# Allegro board FPGA.brd (continued)
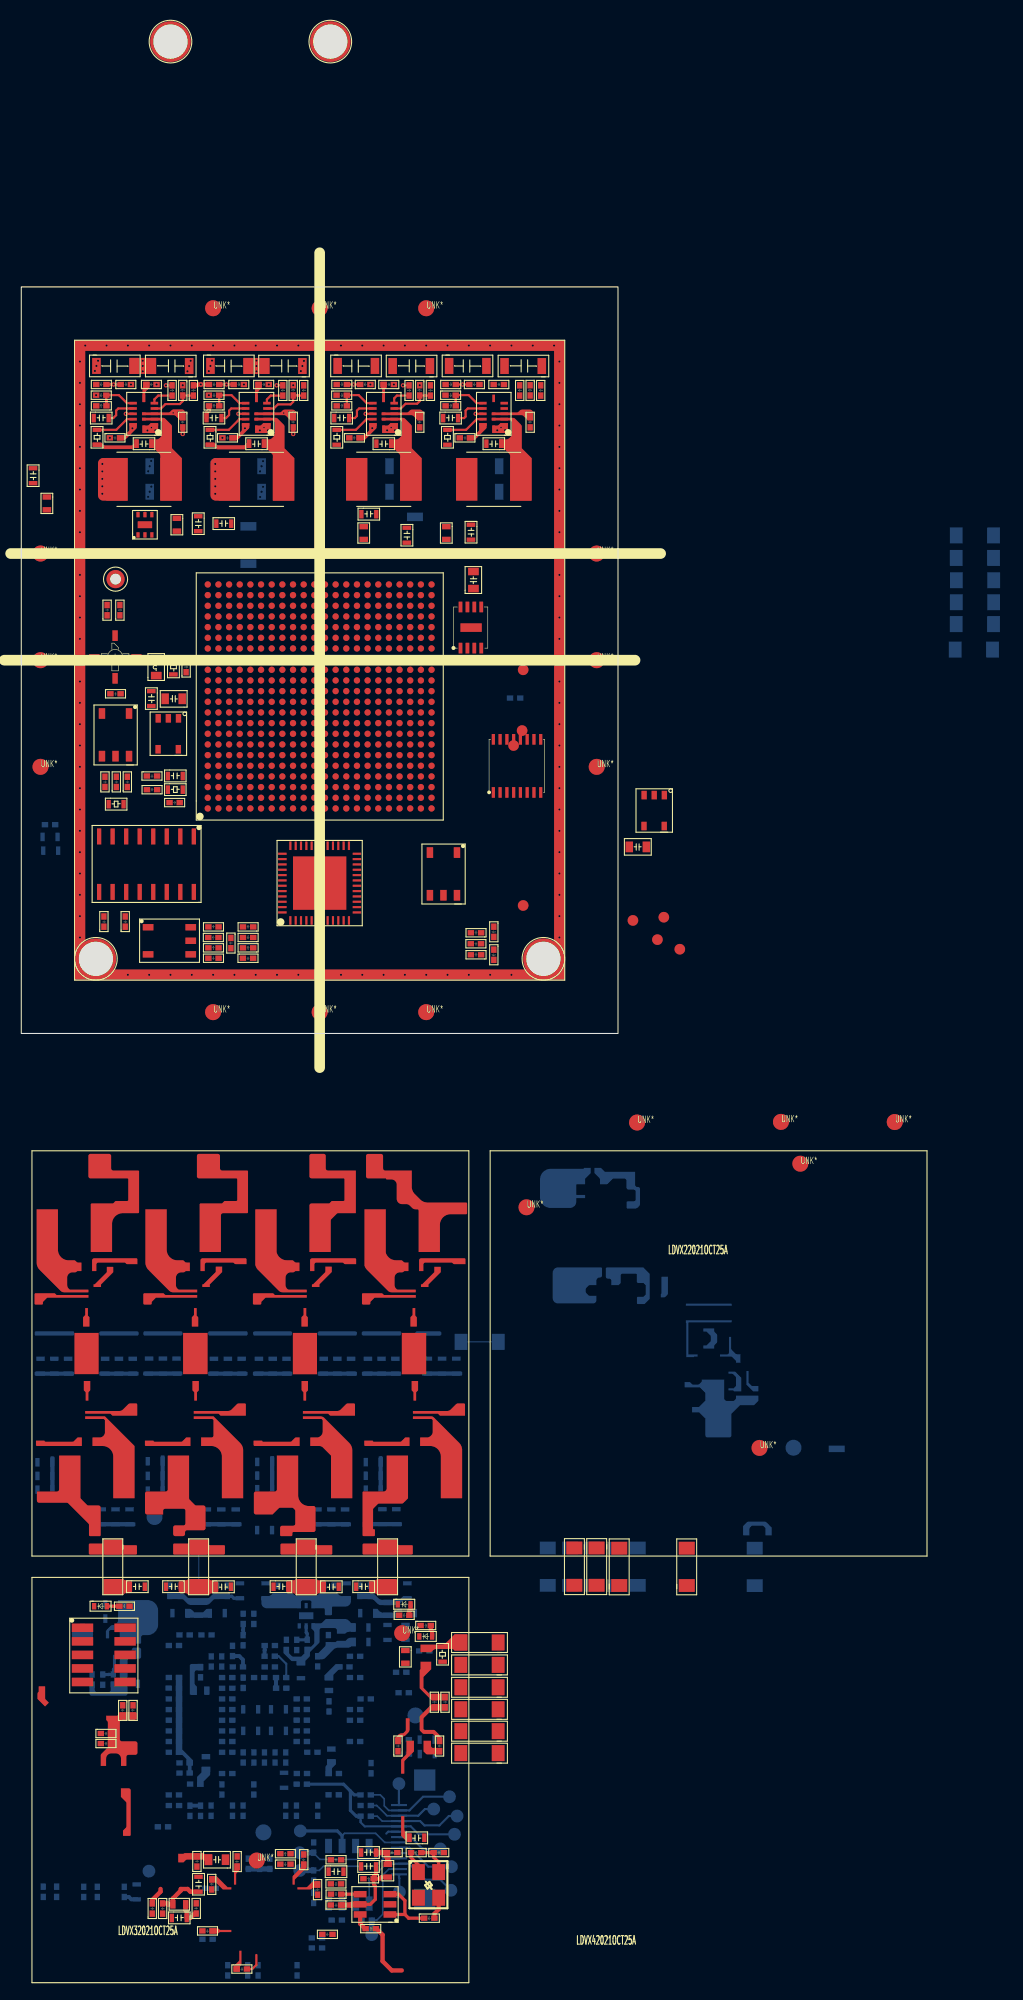
[diagram p0: board, top side]
## Copper pours and planes (outline as drawn; the poured copper is in the pictures) (continued)
5V_FPGA on TOP (solid shape): 10.73,-63.65 10.8,-63.68 10.83,-63.75 10.83,-64.16 10.77,-64.3 10.63,-64.36 9.45,-64.36 9.31,-64.42 9.25,-64.56 9.25,-66.17 9.31,-66.31 9.45,-66.37 10.7,-66.37 10.84,-66.43 10.9,-66.57 10.9,-67.43 10.84,-67.57 10.7,-67.63 10.06,-67.63 9.92,-67.69 9.86,-67.83 9.86,-68.67 9.36,-68.67 9.36,-68 9.21,-67.64 8.86,-67.5 8.46,-67.5 8.1,-67.64 7.96,-68 7.96,-68.67 7.46,-68.67 7.46,-67.68 7.47,-67.6 7.52,-67.54 8.06,-66.99 8.11,-66.93 8.12,-66.85 8.12,-64.6 8.11,-64.53 8.06,-64.46 7.97,-64.37 7.97,-63.97 8.98,-63.97 9.05,-63.94 9.08,-63.87 9.08,-63.75 9.11,-63.68 9.18,-63.65
5V_FPGA on BOTTOM (solid shape): 11.04,-57.58 11.19,-57.64 11.24,-57.78 11.24,-58.43 11.19,-58.58 11.04,-58.63 10.17,-58.63 10.03,-58.69 9.97,-58.83 9.97,-61.61 9.97,-61.61 9.97,-61.89 9.91,-62.03 9.77,-62.09 6.6,-62.09 6.46,-62.03 6.4,-61.89 6.4,-60.76 6.9,-60.76 6.9,-61.55 6.96,-61.69 7.1,-61.75 8.19,-61.75 8.33,-61.69 8.39,-61.55 8.39,-60.75 9.04,-60.75 9.18,-60.7 9.24,-60.55 9.24,-58.11 10.16,-58.11 10.31,-58.05 10.36,-57.91 10.36,-57.78 10.42,-57.64 10.56,-57.58
5V_FPGA on PWR-L6 (solid shape): 36.46,-57.06 37.04,-57.64 37.64,-57.64 37.64,-58.14 36.48,-58.14 36.44,-58.1 35.64,-58.1 35.64,-57.45 35.66,-57.43 35.66,-56.65 36.46,-56.65
5V_FPGA on PWR-L6: 13.15,-78.6 17.93,-78.6 18.36,-78.16 18.36,-76.07 18.21,-75.92 12.27,-75.92 11.81,-75.47 11.81,-57.89 11.33,-57.42 9.2,-57.42 8.96,-57.18 6.14,-57.18 4.71,-55.75 1.37,-55.75 1.19,-55.93 1.19,-69.2 1.42,-69.43 10.24,-69.43 10.88,-70.08 10.88,-77.36 11.21,-77.69 12.24,-77.69
5V_FPGA_IN on BOTTOM (solid shape): 11.84,-53.12 12.55,-53.42 12.84,-54.12 12.84,-55.41 12.55,-56.12 11.84,-56.41 11.44,-56.41 11.3,-56.47 11.24,-56.61 11.24,-57.12 11.21,-57.19 11.14,-57.22 10.46,-57.22 10.39,-57.19 10.36,-57.12 10.36,-56.91 10.31,-56.77 10.16,-56.71 9.24,-56.71 9.24,-56.07 9.23,-56.03 9.2,-55.99 9.14,-55.95 9.06,-55.93 8.42,-55.93 8.34,-55.95 8.28,-55.99 8.25,-56.03 8.24,-56.07 8.24,-56.71 7.94,-56.71 7.94,-56.07 7.96,-56 8,-55.93 8.4,-55.53 8.46,-55.49 8.54,-55.47 8.58,-55.47 8.94,-55.33 9.08,-54.97 9.08,-53.12
5V_FPGA_IN on PWR-L6: 12.48,-51.22 12.48,-54.36 12.08,-54.36 11.84,-54.6 11.84,-56.69 11.68,-56.85 9.34,-56.85 9.18,-56.68 6.78,-56.68 5.4,-55.3 5.4,-51.25 5.5,-51.15 12.42,-51.15
5V_FPGA_PWR on TOP (solid shape): 5.55,-43.5 5.56,-43.57 5.61,-43.64 6.16,-44.2 6.23,-44.24 6.3,-44.25 7.25,-44.25 7.39,-44.31 7.45,-44.45 7.45,-47.03 7.42,-47.1 7.34,-47.13 6.45,-47.13 6.38,-47.1 6.35,-47.03 6.35,-46.08 6.34,-46.01 6.29,-45.94 4.4,-44.05 4.34,-44.01 4.26,-44 1.66,-44 1.52,-43.94 1.46,-43.8 1.46,-42.94 3.35,-42.94 3.49,-42.89 3.55,-42.75 3.55,-42.72 3.55,-39.58 5.55,-39.58
GND on TOP (solid shape): 12.84,56.5 12.78,56.36 12.64,56.3 11.38,56.3 11.38,57 11.83,57 11.91,57.02 11.97,57.06 12.14,57.23 12.84,57.23
GND on TOP (solid shape): 23.4,56.5 23.34,56.36 23.2,56.3 21.93,56.3 21.93,57 22.39,57 22.47,57.02 22.53,57.06 22.7,57.23 23.4,57.23
GND on TOP (solid shape): 35.34,56.5 35.29,56.36 35.15,56.3 33.88,56.3 33.88,57 34.34,57 34.41,57.02 34.48,57.06 34.65,57.23 35.34,57.23
GND on TOP (solid shape): 45.67,56.5 45.61,56.36 45.47,56.3 44.2,56.3 44.2,57 44.66,57 44.74,57.02 44.8,57.06 44.97,57.23 45.67,57.23
GND on TOP (solid shape): 51,5 5,5 5,6 50,6 50,44.5 6,44.5 6,6 5,6 5,45.5 50,45.5 50,64 28.5,64 28.5,45.5 27.5,45.5 27.5,64 6,64 6,45.5 5,45.5 5,65 51,65
GND on GND-L2: 44.05,-51.14 44.05,-88.74 84.8,-88.74 84.8,-51.14
GND on GND-L2: 41.85,-51.15 41.85,-88.91 1.06,-88.91 1.06,-51.15
GND on GND-L2, GND-L5: 84.59,-48.68 84.59,-11.33 44.34,-11.33 44.34,-31.12 46.94,-31.12 48.63,-32.8 48.63,-33.26 49.63,-33.26 49.63,-32.79 50.35,-32.06 54.44,-32.06 54.87,-32.49 56.47,-32.49 56.88,-32.89 56.88,-37.73 57.95,-37.73 58.17,-37.95 58.17,-40.31 58.4,-40.54 58.4,-42.26 58.58,-42.43 59.46,-42.43 59.62,-42.59 59.62,-48.68
GND on GND-L2, GND-L5, GND-L9: 1.05,-11.54 1.2,-11.2 1.54,-11.05 41.46,-11.05 41.81,-11.2 41.95,-11.55 41.95,-48.45 41.8,-48.8 41.45,-48.95 1.55,-48.95 1.2,-48.81 1.05,-48.46
GND on GND-L5: 1.06,-51.05 41.85,-51.05 41.85,-88.91 1.06,-88.91
GND on GND-L5, GND-L9: 44.15,-88.74 84.8,-88.74 84.8,-51.14 44.15,-51.14
GND on GND-L9: 41.85,-51.15 41.85,-88.91 1.06,-88.91 1.06,-51.15
GND on GND-L9: 84.59,-48.68 84.59,-11.33 44.34,-11.33 44.34,-31.12 46.94,-31.12 48.63,-32.8 48.63,-33.26 49.63,-33.26 49.63,-32.79 49.63,-32.56 50.34,-31.85 54.36,-31.85 54.99,-32.49 56.47,-32.49 56.88,-32.89 56.88,-37.73 57.95,-37.73 58.17,-37.95 58.17,-40.31 58.4,-40.54 58.4,-42.26 58.58,-42.43 59.46,-42.43 59.62,-42.59 59.62,-48.68
VBAT_IN on TOP (solid shape): 12.65,61.84 10.15,61.84 10.15,63.34 12.65,63.34
VBAT_IN on TOP (solid shape): 23.28,61.84 20.85,61.84 20.85,63.33 23.28,63.33
VBAT_IN on TOP (solid shape): 27.75,-31.95 25.49,-31.95 25.49,-28.08 27.75,-28.08
VBAT_IN on TOP (solid shape): 17.48,-31.94 15.18,-31.94 15.18,-28.08 17.48,-28.08
VBAT_IN on TOP (solid shape): 7.25,-31.94 4.99,-31.94 4.99,-28.08 7.25,-28.08
VBAT_IN on TOP (solid shape): 38,-31.95 35.71,-31.95 35.71,-28.08 38,-28.08
VBAT_IN on TOP (solid shape): 15.06,58.52 15.17,58.49 15.27,58.43 15.31,58.39 15.38,58.29 15.4,58.18 15.4,57.49 14.9,57.49 14.5,57.89 14.41,57.95 14.29,57.98 11.32,57.98 11.32,58.23 13.78,58.23 13.89,58.25 13.99,58.31 14.1,58.43 14.2,58.49 14.32,58.52
VBAT_IN on TOP (solid shape): 25.45,58.49 25.56,58.47 25.66,58.41 25.68,58.39 25.74,58.29 25.77,58.18 25.77,57.49 25.27,57.49 24.87,57.89 24.77,57.95 24.66,57.98 21.89,57.98 21.89,58.23 24.21,58.23 24.32,58.25 24.42,58.31 24.51,58.41 24.61,58.47 24.73,58.49
VBAT_IN on TOP (solid shape): 37.39,58.49 37.51,58.47 37.61,58.41 37.62,58.39 37.69,58.29 37.71,58.18 37.71,57.49 37.21,57.49 36.81,57.89 36.72,57.95 36.6,57.98 33.83,57.98 33.83,58.23 36.15,58.23 36.27,58.25 36.36,58.31 36.46,58.41 36.56,58.47 36.67,58.49
VBAT_IN on TOP (solid shape): 47.72,58.49 47.83,58.47 47.93,58.41 47.95,58.39 48.01,58.29 48.04,58.18 48.04,57.49 47.54,57.49 47.14,57.89 47.04,57.95 46.93,57.98 44.16,57.98 44.16,58.23 46.48,58.23 46.59,58.25 46.69,58.31 46.78,58.41 46.88,58.47 47,58.49
VCCA_2V5 on BOTTOM (solid shape): 31.38,-57.45 30.98,-57.45 30.82,-57.56 30.62,-57.6 29.68,-57.6 29.49,-57.64 29.32,-57.75 28.53,-58.54 28.37,-58.65 28.18,-58.69 27.57,-58.69 27.57,-58.09 27.89,-58.09 28,-57.97 28.57,-57.4 28.57,-57.07 29.42,-57.07 29.5,-57.05 29.56,-57.01 29.62,-56.95 30.42,-56.95 30.57,-56.8 30.73,-56.69 30.93,-56.66 31.38,-56.66
VCCA_2V5 on PWR-L6: 18.44,-68.5 17.94,-69 17.94,-70.83 17.63,-71.14 16.3,-71.14 15.99,-70.83 15.99,-70.13 16.86,-69.25 16.86,-67.5 16.31,-66.95 16.31,-60.69 17.73,-59.27 19.97,-59.27 20.57,-58.67 21.26,-58.67 21.55,-58.96 23.05,-58.96 23.82,-59.72 27.67,-59.72 29.73,-57.65 30.48,-57.65 30.63,-57.5 30.63,-56.83 29.82,-56.83 29.43,-57.22 29.27,-57.22 28.87,-56.82 28.57,-56.82 28.55,-56.84 24.7,-56.84 24.51,-57.04 24.51,-56.77 24.44,-56.7 23.45,-56.7 22.2,-57.95 19.66,-57.95 19.66,-57.95 19.34,-57.95 18.65,-57.27 16.34,-57.27 14.35,-59.26 14.35,-61.04 14.8,-61.5 15.57,-61.5 15.66,-61.59 15.66,-67.38 15.1,-67.95 15.1,-70.01 15.53,-70.44 15.53,-71.12 16.08,-71.67 17.64,-71.67 18.61,-70.71 23.13,-70.71 23.75,-71.33 26.66,-71.33 27.4,-70.59 27.4,-70.31 27.46,-70.31 27.72,-70.05 27.72,-68.8 27.43,-68.5 26.65,-68.5
VCCINT_1V2 on PWR-L6: 32.85,-53.86 35.79,-53.86 35.9,-53.97 35.9,-54.79 35.79,-54.9 35.27,-54.9 34.99,-55.18 34.99,-60.49 33.93,-61.54 30.57,-61.54 29.79,-62.33 29.79,-67.49 29.79,-67.5 29.79,-69.97 29.4,-70.36 28.15,-70.36 28.15,-69.13 27.86,-68.84 27.86,-68.66 27.51,-68.31 18.24,-68.31 18.24,-68.33 17.86,-68.72 16.99,-68.72 16.99,-60.71 18.37,-59.33 19.98,-59.33 20.5,-58.82 21.14,-58.82 21.45,-59.12 22.96,-59.12 23.18,-59.34 23.18,-59.69 23.62,-60.13 27.99,-60.13 28.77,-59.35 28.77,-58.72 28.94,-58.54 28.95,-58.54 29.13,-58.36 29.89,-58.36 30.5,-58.97 30.5,-59.32 29.83,-59.99 29.83,-60.38 30.29,-60.84 32.39,-60.84 33.77,-59.45 33.77,-54.73 33.65,-54.61 32.85,-54.61 32.82,-54.57 32.82,-53.89
VCCIO_3V3 on TOP (solid shape): 18.22,-79 18.3,-79.01 18.36,-79.06 19.36,-80.05 19.71,-80.05 19.71,-80.25 18.91,-80.25 18.31,-79.66 18.25,-79.61 18.17,-79.6 17.61,-79.6 17.61,-79
VCCIO_3V3 on TOP (solid shape): 20.51,-78.42 20.22,-78.71 20.18,-78.77 20.16,-78.85 20.16,-79.8 19.96,-79.8 19.96,-78.51 19.97,-78.47 19.99,-78.44 20.01,-78.42 20.01,-77.82 20.51,-77.82
VCCIO_3V3 on TOP (solid shape): 26.76,-78.16 26.74,-78.23 26.7,-78.3 25.72,-79.28 25.68,-79.34 25.66,-79.42 25.66,-79.8 25.46,-79.8 25.46,-79.09 25.48,-79.01 25.52,-78.94 26.2,-78.27 26.24,-78.2 26.26,-78.12 26.26,-77.64 26.76,-77.64
VCCIO_3V3 on TOP (solid shape): 28.05,-80.09 27.45,-80.09 27.37,-80.11 27.3,-80.15 27.26,-80.19 27.2,-80.24 27.12,-80.25 25.91,-80.25 25.91,-80.05 26.72,-80.05 26.8,-80.04 26.86,-79.99 27.3,-79.55 27.37,-79.51 27.45,-79.49 28.05,-79.49
VCCIO_3V3 on TOP (solid shape): 18.38,-83.89 18.46,-83.91 18.52,-83.95 18.56,-83.99 18.63,-84.04 18.7,-84.05 19.71,-84.05 19.71,-84.25 18.69,-84.25 18.61,-84.27 18.55,-84.31 18.52,-84.34 18.46,-84.38 18.38,-84.39 17.65,-84.39 17.65,-83.89
VCCIO_3V3 on BOTTOM (solid shape): 15.11,-67.14 16.1,-68.13 16.1,-68.63 15.5,-68.63 15.5,-68.12 15.49,-68.04 15.45,-67.98 15.16,-67.7 15.1,-67.65 15.02,-67.64 14.5,-67.64 14.5,-60.14 15.11,-60.14
VCCIO_3V3 on SIGNAL-L4: 23.84,-56.59 23.84,-62.26 31.58,-62.26 31.92,-61.93 31.92,-57.04 30.96,-56.08 24.35,-56.08
VCCIO_3V3 on PWR-L6: 30.73,-61.67 34.2,-61.67 34.35,-61.82 34.35,-74.7 34.67,-75.02 40.66,-75.02 40.67,-75.04 40.67,-84.78 40.34,-85.11 40.34,-88.21 39.66,-88.89 30.9,-88.89 30.7,-88.69 30.7,-84.43 29.66,-83.39 27.49,-83.39 27.17,-83.72 25.56,-83.72 25.39,-83.89 25.39,-85.45 17.81,-85.45 17.58,-85.23 17.58,-79.24 18.04,-78.78 18.76,-78.78 19.66,-77.88 19.66,-76.06 19.27,-75.68 12.5,-75.68 11.96,-75.13 11.96,-57.58 12.34,-57.2 12.34,-56.9 12.93,-56.32 12.93,-55.53 12.51,-55.12 12.04,-55.12 12.01,-55.08 12.01,-54.73 12.18,-54.56 12.72,-54.56 12.88,-54.39 12.88,-53.69 13.03,-53.53 13.49,-53.53 13.68,-53.72 17.75,-53.72 18.03,-53.45 21.89,-53.45 22.7,-54.25 33.3,-54.25 33.77,-54.72 33.77,-59.39 32.37,-60.78 30.39,-60.78 29.96,-60.35 29.96,-59.78 30.39,-59.35 30.55,-59.35 30.55,-58.92 29.75,-58.13 29.75,-57.81 30,-57.56 30.77,-57.56 30.96,-57.36 30.96,-56.72 30.81,-56.57 30.57,-56.57 30.14,-56.13 24.39,-56.13 24.39,-56.14 24.16,-56.37 23.69,-56.37 22.24,-57.82 19.5,-57.82 18.87,-57.2 16.33,-57.2 14.89,-58.64 14.76,-58.51 14.75,-58.51 14.11,-59.15 14.11,-59.16 14.56,-59.61 15.17,-59.61 15.71,-60.16 15.71,-60.53 14.75,-61.49 14.82,-61.56 15.55,-61.56 15.63,-61.63 15.63,-67.35 14.93,-68.04 14.93,-69.89 15.58,-70.54 15.58,-71.53 15.68,-71.63 17.89,-71.63 18.67,-70.85 23.02,-70.85 23.69,-71.52 26.75,-71.52 27.45,-70.82 27.92,-70.82 28.21,-70.54 29.71,-70.54 29.95,-70.31 29.95,-62.44
ADC_3V3 on PWR-L6: 17.37,-85.59 17.7,-85.92 22.96,-85.92 22.98,-85.91 25.6,-85.91 25.8,-85.7 25.8,-84.44 25.88,-84.37 26.94,-84.37 26.95,-84.38 27.7,-83.63 29.36,-83.63 30.2,-84.47 30.2,-88.46 9.73,-88.46 9.73,-85.03 10.64,-84.12 11.37,-84.12 11.88,-83.6 11.88,-79.84 12.46,-79.27 17,-79.27 17.37,-79.64
AUDIO_5V on PWR-L6: 34.75,-74.34 34.75,-61.66 35.12,-61.3 35.12,-58.79 35.46,-58.45 40.65,-58.45 40.65,-74.45 40.58,-74.53 34.94,-74.53
Net_2 on GND-L5: 46.9,-31.86 47.63,-32.59 47.63,-33.61 48.17,-34.15 50.18,-34.15 51.28,-33.06 51.28,-32.45 54.23,-32.45 54.94,-33.16 54.94,-34.26 55.07,-34.39 56.14,-34.39 56.59,-34.84 56.59,-38 57.03,-38.45 57.03,-38.51 57.13,-38.6 57.86,-38.6 57.86,-40.51 57.95,-40.51 58.24,-40.8 58.24,-42.4 58.52,-42.68 59.38,-42.68 59.47,-42.77 59.47,-48.68 44.36,-48.68 44.36,-31.86
Net_3 on GND-L2: 46.9,-31.86 47.63,-32.59 47.63,-33.61 48.17,-34.15 49.41,-34.15 51.48,-32.08 53.86,-32.08 54.94,-33.16 54.94,-34.26 55.07,-34.39 56.14,-34.39 56.59,-34.84 56.59,-38 57.03,-38.45 57.03,-38.51 57.13,-38.6 57.86,-38.6 57.86,-41.42 58.34,-41.89 58.34,-43.36 59.47,-44.5 59.47,-48.68 44.36,-48.68 44.36,-31.86
Net_4 on GND-L9: 46.9,-31.86 47.63,-32.59 47.63,-33.61 48.17,-34.15 49.52,-34.15 51.43,-32.25 54.03,-32.25 54.94,-33.16 54.94,-34.26 55.07,-34.39 56.14,-34.39 56.59,-34.84 56.59,-38 57.03,-38.45 57.03,-38.51 57.13,-38.6 57.86,-38.6 57.86,-40.51 57.95,-40.51 58.24,-40.8 58.24,-42.4 58.52,-42.68 59.38,-42.68 59.47,-42.77 59.47,-48.68 44.36,-48.68 44.36,-31.86
Net_5 on PWR-L6: 80.5,-62.63 84.83,-62.63 84.9,-62.57 84.9,-58.56 84.78,-58.44 70.11,-58.44 69.57,-58.99 69.57,-66.97 68.43,-68.11 68.01,-68.11 68.01,-69.62 68.03,-69.63 68.03,-70.72 68.01,-70.74 68.01,-71.85 67.58,-72.28 66.01,-72.28 65.78,-72.04 65,-72.04 64.46,-71.51 64.46,-69.91 64.18,-69.63 63.28,-69.63 63.2,-69.71 63.2,-71.01 62.95,-71.26 62.95,-71.78 62.79,-71.94 57.31,-71.94 57.28,-71.91 57.28,-69.63 57.2,-69.54 56.54,-69.54 56.42,-69.66 56.42,-73.01 56.69,-73.28 71.36,-73.28 71.69,-72.95 73.33,-72.95 73.4,-72.88 73.55,-72.73 73.55,-72.15 74.09,-71.61 78.25,-71.61 78.96,-70.89 78.96,-68.56 78.35,-67.94 72.14,-67.94 72.13,-67.95 71.44,-67.26 71.44,-62.86 71.96,-62.34 75.12,-62.34 75.44,-62.66 80.17,-62.66 80.2,-62.63 80.49,-62.63
Net_6 on PWR-L6: 44.05,-51.05 84.95,-51.05 84.95,-88.95 44.05,-88.95
Net_7 on BOTTOM (solid shape): 68.26,-32.75 68.56,-33.05 69.17,-33.05 69.17,-33.55 68.67,-33.55 68.06,-32.94 68.06,-31.65 68.26,-31.65
Net_8 on PWR-L6: 66.61,-23.3 65.54,-23.3 65.38,-23.46 65.38,-24.16 65.68,-24.46 67.09,-24.46 67.22,-24.33 67.22,-23.9
Net_9 on PWR-L6: 62.64,-34.37 62.65,-34.37 63.03,-34.75 63.69,-34.75 63.77,-34.66 63.77,-33.61 63.56,-33.39 63.56,-31.35 62.89,-30.67 61.99,-30.67 61.74,-30.92 61.74,-31.42 62.47,-32.15 62.47,-34.2
Net_10 on BOTTOM (solid shape): 66.61,-29.52 66.63,-29.59 66.67,-29.66 67.03,-30.02 67.1,-30.06 67.17,-30.08 67.49,-30.08 67.49,-30.88 67.09,-30.88 67.09,-30.8 67.08,-30.73 67.03,-30.66 66.72,-30.35 66.66,-30.31 66.58,-30.29 65.57,-30.29 65.57,-30.09 66.22,-30.09 66.36,-30.03 66.42,-29.89 66.42,-28.45 66.61,-28.45
Net_11 on PWR-L6: 66.14,-27.89 66.07,-27.89 65.88,-28.08 65.88,-29.55 65.85,-29.58 65.06,-29.58 64.93,-29.7 64.93,-30.67 65,-30.74 66.51,-30.74 66.68,-30.91 67.87,-30.91 67.97,-30.81 67.97,-28.21 67.63,-27.88 66.14,-27.88
Net_12 on BOTTOM (solid shape): 54.71,-12.91 54.77,-12.95 54.85,-12.97 57.6,-12.97 57.6,-14.19 57.66,-14.33 57.8,-14.39 57.87,-14.39 58.01,-14.45 58.07,-14.59 58.07,-15.92 57.92,-16.27 57.57,-16.42 56.91,-16.42 56.84,-16.39 56.81,-16.31 56.81,-15.84 56.84,-15.77 56.91,-15.74 57.46,-15.74 57.6,-15.68 57.66,-15.54 57.66,-14.84 57.6,-14.7 57.46,-14.64 57,-14.64 56.86,-14.58 56.8,-14.44 56.8,-13.81 56.74,-13.67 56.6,-13.61 55.6,-13.61 55.53,-13.62 55.46,-13.67 55.05,-14.08 54.99,-14.12 54.91,-14.14 54.31,-14.14 54.31,-13.7 54.29,-13.62 54.25,-13.56 53.79,-13.1 53.79,-12.6 54.39,-12.6
Net_14 on PWR-L6: 70.93,-11.58 70.93,-18.49 68.17,-21.24 68.14,-21.24 66.71,-22.68 64.91,-22.68 64.6,-22.98 63.87,-22.98 63.87,-24.4 63.74,-24.52 63.74,-24.57 64.02,-24.84 66.74,-24.84 66.86,-24.97 66.86,-25.79 66.64,-26 61.91,-26 61.86,-25.96 61.86,-24.56 58.52,-21.22 57.03,-21.22 56.64,-20.82 56.64,-17.66 55.19,-16.22 54.48,-16.22 54.17,-15.91 54.17,-13.89 53.78,-13.5 53.78,-11.58
Net_17 on BOTTOM (solid shape): 69.79,-45.77 69.87,-45.79 69.93,-45.83 70.38,-46.28 70.42,-46.34 70.44,-46.42 70.44,-47.06 69.83,-47.06 69.83,-46.45 69.82,-46.37 69.78,-46.31 69.68,-46.21 69.62,-46.17 69.54,-46.15 68.63,-46.15 68.56,-46.17 68.49,-46.21 68.4,-46.31 68.35,-46.37 68.34,-46.45 68.34,-47.06 67.74,-47.06 67.74,-46.56 67.74,-46.55 67.74,-46.27 67.75,-46.2 67.8,-46.13 68.09,-45.83 68.16,-45.79 68.23,-45.77
Net_18 on PWR-L6: 62.04,-48.45 70.66,-48.45 70.66,-47.2 69.46,-47.2 69.16,-46.89 68.83,-46.89 68.6,-46.67 68.61,-46.65 68.61,-45.85 69.03,-45.43 69.05,-45.45 69.77,-45.45 69.77,-44.93 69.68,-44.84 63.72,-44.84 62.51,-46.05 62.35,-46.05
Net_20 on PWR-L6: 71.59,-47.22 71.59,-48.45 80.89,-48.45 80.89,-46.9 76.62,-46.9 76.33,-46.61 76.33,-45.73 76.6,-45.45 76.61,-45.46 77.53,-45.46 77.77,-45.21 77.77,-44.64 77.24,-44.11 72.41,-44.11 72.41,-44.53 72.3,-44.64 72.3,-46.51
Net_22 on PWR-L6: 51,-39.6 51.31,-39.3 56.6,-39.3 56.64,-39.34 56.64,-41.79 55.96,-42.47 48.67,-42.47 47.58,-43.56 47.58,-44.31 47.36,-44.54 44.57,-44.54 44.57,-40 44.97,-39.6
Net_24 on BOTTOM (solid shape): 60.68,-24.38 60.67,-24.46 60.62,-24.53 60.47,-24.68 60.4,-24.73 60.33,-24.74 60.02,-24.74 60.02,-24.44 60.02,-24.44 60.07,-24.37 60.08,-24.3 60.08,-22.81 60.68,-22.81
Net_25 on BOTTOM (solid shape): 65.02,-27.87 65.04,-27.94 65.08,-28.01 65.25,-28.17 65.29,-28.24 65.31,-28.31 65.31,-28.88 65.29,-28.96 65.25,-29.02 65.08,-29.19 65.04,-29.25 65.02,-29.33 65.02,-29.55 64,-29.55 64,-29.25 64.23,-29.25 64.3,-29.23 64.37,-29.19 64.65,-28.91 64.69,-28.84 64.71,-28.77 64.71,-28.43 64.69,-28.36 64.65,-28.29 64.36,-28.01 64.3,-27.96 64.22,-27.95 64,-27.95 64,-27.65 65.02,-27.65
Net_26 on BOTTOM (solid shape): 58.99,-22.54 58.99,-24.87 58.49,-25.37 57.88,-25.37 57.81,-25.34 57.78,-25.27 57.78,-24.79 57.81,-24.72 57.88,-24.69 58.39,-24.69 58.6,-24.47 58.6,-23.61 58.4,-23.4 57.86,-23.4 57.77,-23.31 57.77,-22.58 57.7,-22.52 56.35,-22.52 56.26,-22.62 56.26,-23.4 56.05,-23.6 55.37,-23.6 55.37,-23.19 55.31,-23.05 55.17,-22.99 55.06,-22.99 54.92,-22.93 54.86,-22.79 54.86,-22.03 54.89,-21.96 54.96,-21.93 58.38,-21.93
Net_27 on PWR-L6: 58.28,-21.72 58.52,-21.96 58.52,-23.58 59.15,-23.58 59.55,-23.97 59.55,-23.97 59.73,-24.16 59.73,-25.13 60.12,-25.52 60.12,-26.36 60.85,-27.09 60.87,-27.09 61.21,-27.43 61.21,-27.87 61.97,-28.62 62.09,-28.62 62.25,-28.78 63.17,-28.78 63.29,-28.66 63.29,-28.47 63.34,-28.42 63.34,-27.86 63.45,-27.74 65.55,-27.74 65.81,-28 65.81,-29.19 65.59,-29.42 61.28,-29.42 60.31,-28.45 58.05,-28.45 57.3,-27.69 57.3,-24.52 56.92,-24.14 54.66,-24.14 54.47,-23.94 54.47,-22.06 54.81,-21.72
Net_30 on PWR-L6: 59.74,-46.07 59.74,-48.45 61.9,-48.45 61.9,-45.93 62.98,-44.84 63.04,-44.84 63.19,-44.69 70.82,-44.69 71.08,-44.95 71.08,-45.47 70.84,-45.71 69.1,-45.71 68.84,-45.97 68.84,-46.33 69.06,-46.54 71.37,-46.54 71.93,-45.98 71.93,-45.7 71.91,-45.68 71.91,-44.12 72.15,-43.88 77.23,-43.88 77.92,-44.57 77.92,-45.28 77.51,-45.7 76.73,-45.7 76.65,-45.78 76.65,-46.58 76.74,-46.67 77.78,-46.67 78,-46.46 78,-46.03 78.53,-45.5 78.63,-45.5 78.69,-45.44 79.79,-45.44 79.79,-41.34 78.46,-40 75.55,-40 74.99,-39.44 74.99,-38.64 74.07,-37.72 71.02,-37.72 70.05,-38.69 63.57,-38.69 59.75,-42.5 59.75,-44.15 60.57,-44.97 60.57,-45.85 60.45,-45.96 59.84,-45.96
Net_32 on BOTTOM (solid shape): 66.67,-27.08 62.67,-27.08 62.6,-27.15 62.6,-30.05 62.65,-30.09 63.47,-30.09 63.47,-30.29 63.17,-30.29 63.12,-30.35 62.4,-30.35 62.4,-27.17 62.37,-27.14 62.37,-26.89 66.67,-26.89
Net_33 on PWR-L6: 62.22,-26.49 66.8,-26.49 67.04,-26.73 67.04,-27.55 66.83,-27.76 65.84,-27.76 65.64,-27.56 63.37,-27.56 63.16,-27.77 63.16,-28.23 63.02,-28.37 62.4,-28.37 62.06,-28.03 62.06,-26.65
Net_35 on BOTTOM (solid shape): 67.57,-32.28 67.57,-33.55 66.88,-33.55 66.8,-33.47 66.37,-33.47 66.37,-33.27 66.85,-33.27 67.07,-33.05 67.07,-32.22 66.76,-31.91 66.37,-31.91 66.37,-31.71 67,-31.71
Net_36 on PWR-L6: 50.02,-35.16 50.02,-34.31 50.18,-34.16 54.92,-34.16 55.02,-34.25 55.02,-36.54 53.79,-37.76 51.66,-37.76 50.33,-39.09 44.57,-39.09 44.57,-36.07 49.11,-36.07
Net_41 on BOTTOM (solid shape): 65.97,-34.28 66.14,-34.45 66.87,-34.45 67.07,-34.25 67.07,-33.95 69.17,-33.95 69.17,-34.45 68.77,-34.86 67.45,-34.86 66.64,-35.67 66.64,-37.67 66.58,-37.82 66.44,-37.88 64.4,-37.88 64.25,-37.82 64.2,-37.67 64.2,-36.12 63.6,-35.52 62.95,-35.52 62.95,-35.02 63.6,-35.02 64.2,-34.42 64.2,-33.69 63.68,-33.18 62.26,-33.18 62.26,-32.68 62.76,-32.68 62.99,-32.92 63.58,-32.92 63.86,-32.64 63.86,-32.45 65.97,-32.45
Net_44 on PWR-L6: 59.34,-45.86 59.44,-45.76 60.43,-45.76 60.5,-45.7 60.5,-45.18 60.33,-45.01 59.62,-45.01 59.34,-44.74 59.34,-42.36 63.45,-38.25 68.41,-38.25 68.45,-38.29 70.2,-38.29 71.17,-37.33 74.28,-37.33 75.46,-38.51 75.46,-39.49 75.64,-39.67 78.81,-39.67 80.28,-41.15 80.28,-44.58 80.35,-44.65 84.42,-44.65 84.42,-15.61 84.05,-15.24 81.88,-15.24 80.79,-14.15 80.79,-12 80.36,-11.58 72.11,-11.58 71.63,-12.06 71.63,-19.03 67.84,-22.82 64.94,-22.82 64.22,-23.53 64.22,-24.49 64.43,-24.69 66.89,-24.69 67.04,-24.84 67.04,-26.52 68.68,-28.16 68.68,-31.63 68.01,-32.3 63.86,-32.3 63.71,-32.45 63.71,-33.21 63.95,-33.45 63.95,-34.74 63.87,-34.82 62.19,-34.82 60.76,-33.4 60.76,-32.5 58.94,-30.68 57.44,-30.68 57.07,-30.32 57.07,-25.17 56.53,-24.64 55,-24.64 54.55,-25.09 54.55,-29.98 53.5,-31.03 53.5,-32.49 55.08,-34.08 55.08,-38.04 55.99,-38.95 56.86,-38.95 56.86,-41.19 56.84,-41.21 56.84,-42.76 56.94,-42.86 52.12,-42.86 51.87,-42.61 49.24,-42.61 47.83,-44.03 47.83,-45.36 48.31,-45.84 48.31,-48.3 48.46,-48.45 59.34,-48.45